# Altium PCB mantarray_beta2_sensor_arrayed.PcbDoc (part 1 of 14) (continued)
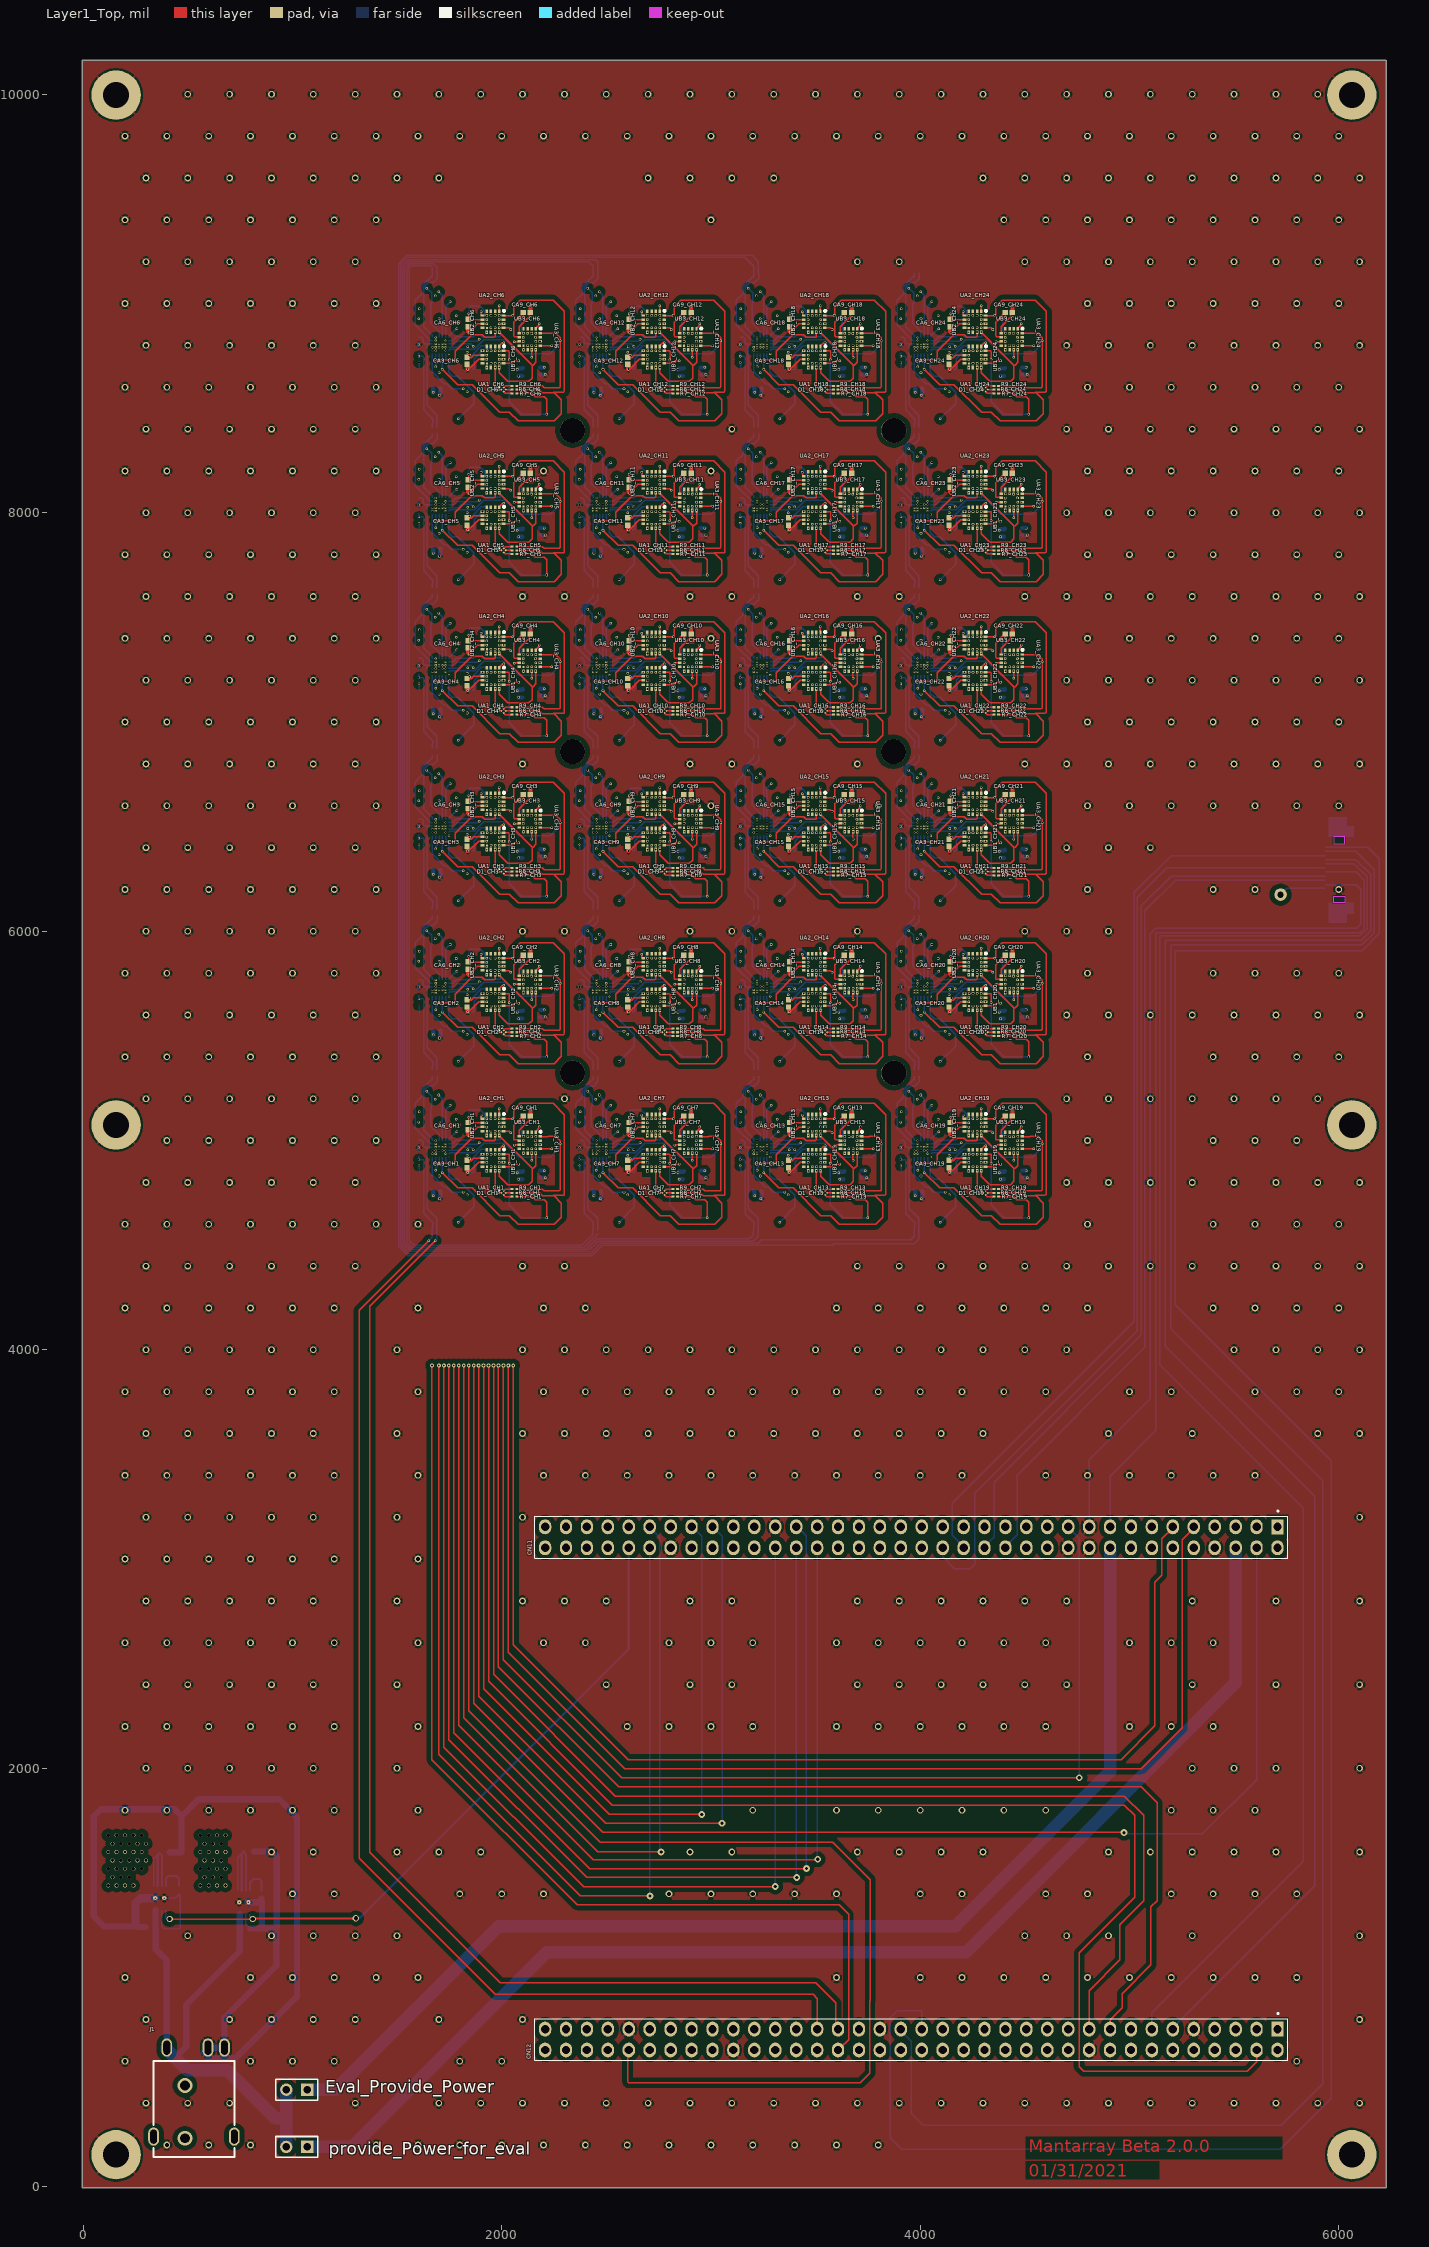
[diagram p0: Layer1_Top view]
## Components (designator, comment, footprint, x,y, rotation, side; value= is the part's Value field where it differs from the comment) (continued)
CA9_CH18 "GRM155R71C104KA88D" CAPC1005X55X25NL05T10 3655.51,8956.69 r180 top (schematic designator CA9)
CA9_CH19 "GRM155R71C104KA88D" CAPC1005X55X25NL05T10 4423.23,5118.11 r180 top (schematic designator CA9)
CA9_CH20 "GRM155R71C104KA88D" CAPC1005X55X25NL05T10 4423.23,5885.83 r180 top (schematic designator CA9)
CA9_CH21 "GRM155R71C104KA88D" CAPC1005X55X25NL05T10 4423.23,6653.54 r180 top (schematic designator CA9)
CA9_CH22 "GRM155R71C104KA88D" CAPC1005X55X25NL05T10 4423.23,7421.26 r180 top (schematic designator CA9)
CA9_CH23 "GRM155R71C104KA88D" CAPC1005X55X25NL05T10 4423.23,8188.98 r180 top (schematic designator CA9)
CA9_CH24 "GRM155R71C104KA88D" CAPC1005X55X25NL05T10 4423.23,8956.69 r180 top (schematic designator CA9)
CN11 "Header 35x2" HDR_2x36_2R54_V_M 5707.48,3153.94 r180 top
CN12 "Header 35x2" HDR_2x36_2R54_V_M 5707.48,753.94 r180 top
D1_CH1 "XZBGRBBRMER158W" 4-SMD 2009.84,4750 r315 top (schematic designator D1)
D1_CH2 "XZBGRBBRMER158W" 4-SMD 2009.84,5517.72 r315 top (schematic designator D1)
D1_CH3 "XZBGRBBRMER158W" 4-SMD 2009.84,6285.43 r315 top (schematic designator D1)
D1_CH4 "XZBGRBBRMER158W" 4-SMD 2009.84,7053.15 r315 top (schematic designator D1)
D1_CH5 "XZBGRBBRMER158W" 4-SMD 2009.84,7820.86 r315 top (schematic designator D1)
D1_CH6 "XZBGRBBRMER158W" 4-SMD 2009.84,8588.58 r315 top (schematic designator D1)
D1_CH7 "XZBGRBBRMER158W" 4-SMD 2777.56,4750 r315 top (schematic designator D1)
D1_CH8 "XZBGRBBRMER158W" 4-SMD 2777.56,5517.72 r315 top (schematic designator D1)
D1_CH9 "XZBGRBBRMER158W" 4-SMD 2777.56,6285.43 r315 top (schematic designator D1)
D1_CH10 "XZBGRBBRMER158W" 4-SMD 2777.56,7053.15 r315 top (schematic designator D1)
D1_CH11 "XZBGRBBRMER158W" 4-SMD 2777.56,7820.86 r315 top (schematic designator D1)
D1_CH12 "XZBGRBBRMER158W" 4-SMD 2777.56,8588.58 r315 top (schematic designator D1)
D1_CH13 "XZBGRBBRMER158W" 4-SMD 3545.28,4750 r315 top (schematic designator D1)
D1_CH14 "XZBGRBBRMER158W" 4-SMD 3545.28,5517.72 r315 top (schematic designator D1)
D1_CH15 "XZBGRBBRMER158W" 4-SMD 3545.28,6285.43 r315 top (schematic designator D1)
D1_CH16 "XZBGRBBRMER158W" 4-SMD 3545.28,7053.15 r315 top (schematic designator D1)
D1_CH17 "XZBGRBBRMER158W" 4-SMD 3545.28,7820.86 r315 top (schematic designator D1)
D1_CH18 "XZBGRBBRMER158W" 4-SMD 3545.28,8588.58 r315 top (schematic designator D1)
D1_CH19 "XZBGRBBRMER158W" 4-SMD 4312.99,4750 r315 top (schematic designator D1)
D1_CH20 "XZBGRBBRMER158W" 4-SMD 4312.99,5517.72 r315 top (schematic designator D1)
D1_CH21 "XZBGRBBRMER158W" 4-SMD 4312.99,6285.43 r315 top (schematic designator D1)
D1_CH22 "XZBGRBBRMER158W" 4-SMD 4312.99,7053.15 r315 top (schematic designator D1)
D1_CH23 "XZBGRBBRMER158W" 4-SMD 4312.99,7820.86 r315 top (schematic designator D1)
D1_CH24 "XZBGRBBRMER158W" 4-SMD 4312.99,8588.58 r315 top (schematic designator D1)
Eval_Provide_Power "Header 2" HDR1X2 1070.87,464.57 r180 top
J1 "PJ-001AH-67" PJ-001AH-67 399.61,665.35 r90 top
provide_Power_for_eval "Header 2" HDR1X2 1070.47,190.94 r180 top
R7_CH1 "CRCW0201220RFNED" RESC0603X28X15LL05T05 2061.02,4732.28 r0 top (schematic designator R7)
R7_CH2 "CRCW0201220RFNED" RESC0603X28X15LL05T05 2061.02,5500 r0 top (schematic designator R7)
R7_CH3 "CRCW0201220RFNED" RESC0603X28X15LL05T05 2061.02,6267.72 r0 top (schematic designator R7)
R7_CH4 "CRCW0201220RFNED" RESC0603X28X15LL05T05 2061.02,7035.43 r0 top (schematic designator R7)
R7_CH5 "CRCW0201220RFNED" RESC0603X28X15LL05T05 2061.02,7803.15 r0 top (schematic designator R7)
R7_CH6 "CRCW0201220RFNED" RESC0603X28X15LL05T05 2061.02,8570.87 r0 top (schematic designator R7)
R7_CH7 "CRCW0201220RFNED" RESC0603X28X15LL05T05 2828.74,4732.28 r0 top (schematic designator R7)
R7_CH8 "CRCW0201220RFNED" RESC0603X28X15LL05T05 2828.74,5500 r0 top (schematic designator R7)
R7_CH9 "CRCW0201220RFNED" RESC0603X28X15LL05T05 2828.74,6267.72 r0 top (schematic designator R7)
R7_CH10 "CRCW0201220RFNED" RESC0603X28X15LL05T05 2828.74,7035.43 r0 top (schematic designator R7)
R7_CH11 "CRCW0201220RFNED" RESC0603X28X15LL05T05 2828.74,7803.15 r0 top (schematic designator R7)
R7_CH12 "CRCW0201220RFNED" RESC0603X28X15LL05T05 2828.74,8570.87 r0 top (schematic designator R7)
R7_CH13 "CRCW0201220RFNED" RESC0603X28X15LL05T05 3596.46,4732.28 r0 top (schematic designator R7)
R7_CH14 "CRCW0201220RFNED" RESC0603X28X15LL05T05 3596.46,5500 r0 top (schematic designator R7)
R7_CH15 "CRCW0201220RFNED" RESC0603X28X15LL05T05 3596.46,6267.72 r0 top (schematic designator R7)
R7_CH16 "CRCW0201220RFNED" RESC0603X28X15LL05T05 3596.46,7035.43 r0 top (schematic designator R7)
R7_CH17 "CRCW0201220RFNED" RESC0603X28X15LL05T05 3596.46,7803.15 r0 top (schematic designator R7)
R7_CH18 "CRCW0201220RFNED" RESC0603X28X15LL05T05 3596.46,8570.87 r0 top (schematic designator R7)
R7_CH19 "CRCW0201220RFNED" RESC0603X28X15LL05T05 4364.17,4732.28 r0 top (schematic designator R7)
R7_CH20 "CRCW0201220RFNED" RESC0603X28X15LL05T05 4364.17,5500 r0 top (schematic designator R7)
R7_CH21 "CRCW0201220RFNED" RESC0603X28X15LL05T05 4364.17,6267.72 r0 top (schematic designator R7)
R7_CH22 "CRCW0201220RFNED" RESC0603X28X15LL05T05 4364.17,7035.43 r0 top (schematic designator R7)
R7_CH23 "CRCW0201220RFNED" RESC0603X28X15LL05T05 4364.17,7803.15 r0 top (schematic designator R7)
R7_CH24 "CRCW0201220RFNED" RESC0603X28X15LL05T05 4364.17,8570.87 r0 top (schematic designator R7)
R8_CH1 "CRCW0201100RFKED" RESC0603X28X15LL05T05 2061.02,4750 r0 top (schematic designator R8)
R8_CH2 "CRCW0201100RFKED" RESC0603X28X15LL05T05 2061.02,5517.72 r0 top (schematic designator R8)
R8_CH3 "CRCW0201100RFKED" RESC0603X28X15LL05T05 2061.02,6285.43 r0 top (schematic designator R8)
R8_CH4 "CRCW0201100RFKED" RESC0603X28X15LL05T05 2061.02,7053.15 r0 top (schematic designator R8)
R8_CH5 "CRCW0201100RFKED" RESC0603X28X15LL05T05 2061.02,7820.87 r0 top (schematic designator R8)
R8_CH6 "CRCW0201100RFKED" RESC0603X28X15LL05T05 2061.02,8588.58 r0 top (schematic designator R8)
R8_CH7 "CRCW0201100RFKED" RESC0603X28X15LL05T05 2828.74,4750 r0 top (schematic designator R8)
R8_CH8 "CRCW0201100RFKED" RESC0603X28X15LL05T05 2828.74,5517.72 r0 top (schematic designator R8)
R8_CH9 "CRCW0201100RFKED" RESC0603X28X15LL05T05 2828.74,6285.43 r0 top (schematic designator R8)
R8_CH10 "CRCW0201100RFKED" RESC0603X28X15LL05T05 2828.74,7053.15 r0 top (schematic designator R8)
R8_CH11 "CRCW0201100RFKED" RESC0603X28X15LL05T05 2828.74,7820.87 r0 top (schematic designator R8)
R8_CH12 "CRCW0201100RFKED" RESC0603X28X15LL05T05 2828.74,8588.58 r0 top (schematic designator R8)
R8_CH13 "CRCW0201100RFKED" RESC0603X28X15LL05T05 3596.46,4750 r0 top (schematic designator R8)
R8_CH14 "CRCW0201100RFKED" RESC0603X28X15LL05T05 3596.46,5517.72 r0 top (schematic designator R8)
R8_CH15 "CRCW0201100RFKED" RESC0603X28X15LL05T05 3596.46,6285.43 r0 top (schematic designator R8)
R8_CH16 "CRCW0201100RFKED" RESC0603X28X15LL05T05 3596.46,7053.15 r0 top (schematic designator R8)
R8_CH17 "CRCW0201100RFKED" RESC0603X28X15LL05T05 3596.46,7820.87 r0 top (schematic designator R8)
R8_CH18 "CRCW0201100RFKED" RESC0603X28X15LL05T05 3596.46,8588.58 r0 top (schematic designator R8)
R8_CH19 "CRCW0201100RFKED" RESC0603X28X15LL05T05 4364.17,4750 r0 top (schematic designator R8)
R8_CH20 "CRCW0201100RFKED" RESC0603X28X15LL05T05 4364.17,5517.72 r0 top (schematic designator R8)
R8_CH21 "CRCW0201100RFKED" RESC0603X28X15LL05T05 4364.17,6285.43 r0 top (schematic designator R8)
R8_CH22 "CRCW0201100RFKED" RESC0603X28X15LL05T05 4364.17,7053.15 r0 top (schematic designator R8)
R8_CH23 "CRCW0201100RFKED" RESC0603X28X15LL05T05 4364.17,7820.87 r0 top (schematic designator R8)
R8_CH24 "CRCW0201100RFKED" RESC0603X28X15LL05T05 4364.17,8588.58 r0 top (schematic designator R8)
R9_CH1 "CRCW0201100RFKED" RESC0603X28X15LL05T05 2061.02,4767.72 r0 top (schematic designator R9)
R9_CH2 "CRCW0201100RFKED" RESC0603X28X15LL05T05 2061.02,5535.43 r0 top (schematic designator R9)
R9_CH3 "CRCW0201100RFKED" RESC0603X28X15LL05T05 2061.02,6303.15 r0 top (schematic designator R9)
R9_CH4 "CRCW0201100RFKED" RESC0603X28X15LL05T05 2061.02,7070.87 r0 top (schematic designator R9)
R9_CH5 "CRCW0201100RFKED" RESC0603X28X15LL05T05 2061.02,7838.58 r0 top (schematic designator R9)
R9_CH6 "CRCW0201100RFKED" RESC0603X28X15LL05T05 2061.02,8606.3 r0 top (schematic designator R9)
R9_CH7 "CRCW0201100RFKED" RESC0603X28X15LL05T05 2828.74,4767.72 r0 top (schematic designator R9)
R9_CH8 "CRCW0201100RFKED" RESC0603X28X15LL05T05 2828.74,5535.43 r0 top (schematic designator R9)
R9_CH9 "CRCW0201100RFKED" RESC0603X28X15LL05T05 2828.74,6303.15 r0 top (schematic designator R9)
R9_CH10 "CRCW0201100RFKED" RESC0603X28X15LL05T05 2828.74,7070.87 r0 top (schematic designator R9)
R9_CH11 "CRCW0201100RFKED" RESC0603X28X15LL05T05 2828.74,7838.58 r0 top (schematic designator R9)
R9_CH12 "CRCW0201100RFKED" RESC0603X28X15LL05T05 2828.74,8606.3 r0 top (schematic designator R9)
R9_CH13 "CRCW0201100RFKED" RESC0603X28X15LL05T05 3596.46,4767.72 r0 top (schematic designator R9)
R9_CH14 "CRCW0201100RFKED" RESC0603X28X15LL05T05 3596.46,5535.43 r0 top (schematic designator R9)
R9_CH15 "CRCW0201100RFKED" RESC0603X28X15LL05T05 3596.46,6303.15 r0 top (schematic designator R9)
R9_CH16 "CRCW0201100RFKED" RESC0603X28X15LL05T05 3596.46,7070.87 r0 top (schematic designator R9)
R9_CH17 "CRCW0201100RFKED" RESC0603X28X15LL05T05 3596.46,7838.58 r0 top (schematic designator R9)
R9_CH18 "CRCW0201100RFKED" RESC0603X28X15LL05T05 3596.46,8606.3 r0 top (schematic designator R9)
R9_CH19 "CRCW0201100RFKED" RESC0603X28X15LL05T05 4364.17,4767.72 r0 top (schematic designator R9)
R9_CH20 "CRCW0201100RFKED" RESC0603X28X15LL05T05 4364.17,5535.43 r0 top (schematic designator R9)
R9_CH21 "CRCW0201100RFKED" RESC0603X28X15LL05T05 4364.17,6303.15 r0 top (schematic designator R9)
R9_CH22 "CRCW0201100RFKED" RESC0603X28X15LL05T05 4364.17,7070.87 r0 top (schematic designator R9)
R9_CH23 "CRCW0201100RFKED" RESC0603X28X15LL05T05 4364.17,7838.58 r0 top (schematic designator R9)
R9_CH24 "CRCW0201100RFKED" RESC0603X28X15LL05T05 4364.17,8606.3 r0 top (schematic designator R9)
R_bt0_CH1 "10k" RESC0603X28X15LL05T05 1604.33,4995.08 r90 bottom (schematic designator R_bt0)
R_bt0_CH2 "10k" RESC0603X28X15LL05T05 1604.33,5762.8 r90 bottom (schematic designator R_bt0)
R_bt0_CH3 "10k" RESC0603X28X15LL05T05 1604.33,6530.51 r90 bottom (schematic designator R_bt0)
R_bt0_CH4 "10k" RESC0603X28X15LL05T05 1604.33,7298.23 r90 bottom (schematic designator R_bt0)
R_bt0_CH5 "10k" RESC0603X28X15LL05T05 1604.33,8065.94 r90 bottom (schematic designator R_bt0)
R_bt0_CH6 "10k" RESC0603X28X15LL05T05 1604.33,8833.66 r90 bottom (schematic designator R_bt0)
R_bt0_CH7 "10k" RESC0603X28X15LL05T05 2372.05,4995.08 r90 bottom (schematic designator R_bt0)
R_bt0_CH8 "10k" RESC0603X28X15LL05T05 2372.05,5762.8 r90 bottom (schematic designator R_bt0)
R_bt0_CH9 "10k" RESC0603X28X15LL05T05 2372.05,6530.51 r90 bottom (schematic designator R_bt0)
R_bt0_CH10 "10k" RESC0603X28X15LL05T05 2372.05,7298.23 r90 bottom (schematic designator R_bt0)
R_bt0_CH11 "10k" RESC0603X28X15LL05T05 2372.05,8065.94 r90 bottom (schematic designator R_bt0)
R_bt0_CH12 "10k" RESC0603X28X15LL05T05 2372.05,8833.66 r90 bottom (schematic designator R_bt0)
R_bt0_CH13 "10k" RESC0603X28X15LL05T05 3139.76,4995.08 r90 bottom (schematic designator R_bt0)
R_bt0_CH14 "10k" RESC0603X28X15LL05T05 3139.76,5762.8 r90 bottom (schematic designator R_bt0)
R_bt0_CH15 "10k" RESC0603X28X15LL05T05 3139.76,6530.51 r90 bottom (schematic designator R_bt0)
R_bt0_CH16 "10k" RESC0603X28X15LL05T05 3139.76,7298.23 r90 bottom (schematic designator R_bt0)
R_bt0_CH17 "10k" RESC0603X28X15LL05T05 3139.76,8065.94 r90 bottom (schematic designator R_bt0)
R_bt0_CH18 "10k" RESC0603X28X15LL05T05 3139.76,8833.66 r90 bottom (schematic designator R_bt0)
R_bt0_CH19 "10k" RESC0603X28X15LL05T05 3907.48,4995.08 r90 bottom (schematic designator R_bt0)
R_bt0_CH20 "10k" RESC0603X28X15LL05T05 3907.48,5762.8 r90 bottom (schematic designator R_bt0)
R_bt0_CH21 "10k" RESC0603X28X15LL05T05 3907.48,6530.51 r90 bottom (schematic designator R_bt0)
R_bt0_CH22 "10k" RESC0603X28X15LL05T05 3907.48,7298.23 r90 bottom (schematic designator R_bt0)
R_bt0_CH23 "10k" RESC0603X28X15LL05T05 3907.48,8065.94 r90 bottom (schematic designator R_bt0)
R_bt0_CH24 "10k" RESC0603X28X15LL05T05 3907.48,8833.66 r90 bottom (schematic designator R_bt0)
R_rst_CH1 "10k" RESC0603X28X15LL05T05 1604.33,4937.01 r270 bottom (schematic designator R_rst)
R_rst_CH2 "10k" RESC0603X28X15LL05T05 1604.33,5704.72 r270 bottom (schematic designator R_rst)
R_rst_CH3 "10k" RESC0603X28X15LL05T05 1604.33,6472.44 r270 bottom (schematic designator R_rst)
R_rst_CH4 "10k" RESC0603X28X15LL05T05 1604.33,7240.16 r270 bottom (schematic designator R_rst)
R_rst_CH5 "10k" RESC0603X28X15LL05T05 1604.33,8007.87 r270 bottom (schematic designator R_rst)
R_rst_CH6 "10k" RESC0603X28X15LL05T05 1604.33,8775.59 r270 bottom (schematic designator R_rst)
R_rst_CH7 "10k" RESC0603X28X15LL05T05 2372.05,4937.01 r270 bottom (schematic designator R_rst)
R_rst_CH8 "10k" RESC0603X28X15LL05T05 2372.05,5704.72 r270 bottom (schematic designator R_rst)
R_rst_CH9 "10k" RESC0603X28X15LL05T05 2372.05,6472.44 r270 bottom (schematic designator R_rst)
R_rst_CH10 "10k" RESC0603X28X15LL05T05 2372.05,7240.16 r270 bottom (schematic designator R_rst)
R_rst_CH11 "10k" RESC0603X28X15LL05T05 2372.05,8007.87 r270 bottom (schematic designator R_rst)
R_rst_CH12 "10k" RESC0603X28X15LL05T05 2372.05,8775.59 r270 bottom (schematic designator R_rst)
R_rst_CH13 "10k" RESC0603X28X15LL05T05 3139.76,4937.01 r270 bottom (schematic designator R_rst)
R_rst_CH14 "10k" RESC0603X28X15LL05T05 3139.76,5704.72 r270 bottom (schematic designator R_rst)
R_rst_CH15 "10k" RESC0603X28X15LL05T05 3139.76,6472.44 r270 bottom (schematic designator R_rst)
R_rst_CH16 "10k" RESC0603X28X15LL05T05 3139.76,7240.16 r270 bottom (schematic designator R_rst)
R_rst_CH17 "10k" RESC0603X28X15LL05T05 3139.76,8007.87 r270 bottom (schematic designator R_rst)
R_rst_CH18 "10k" RESC0603X28X15LL05T05 3139.76,8775.59 r270 bottom (schematic designator R_rst)
R_rst_CH19 "10k" RESC0603X28X15LL05T05 3907.48,4937.01 r270 bottom (schematic designator R_rst)
R_rst_CH20 "10k" RESC0603X28X15LL05T05 3907.48,5704.72 r270 bottom (schematic designator R_rst)
R_rst_CH21 "10k" RESC0603X28X15LL05T05 3907.48,6472.44 r270 bottom (schematic designator R_rst)
R_rst_CH22 "10k" RESC0603X28X15LL05T05 3907.48,7240.16 r270 bottom (schematic designator R_rst)
R_rst_CH23 "10k" RESC0603X28X15LL05T05 3907.48,8007.87 r270 bottom (schematic designator R_rst)
R_rst_CH24 "10k" RESC0603X28X15LL05T05 3907.48,8775.59 r270 bottom (schematic designator R_rst)
U1_CH1 "STM32L052T8Y7TR" WLCSP36L_DIE417 1708.66,4960.63 r180 bottom locked (schematic designator U1)
U1_CH2 "STM32L052T8Y7TR" WLCSP36L_DIE417 1708.66,5728.35 r180 bottom locked (schematic designator U1)
U1_CH3 "STM32L052T8Y7TR" WLCSP36L_DIE417 1708.66,6496.06 r180 bottom locked (schematic designator U1)
U1_CH4 "STM32L052T8Y7TR" WLCSP36L_DIE417 1708.66,7263.78 r180 bottom locked (schematic designator U1)
U1_CH5 "STM32L052T8Y7TR" WLCSP36L_DIE417 1708.66,8031.5 r180 bottom locked (schematic designator U1)
U1_CH6 "STM32L052T8Y7TR" WLCSP36L_DIE417 1708.66,8799.21 r180 bottom locked (schematic designator U1)
U1_CH7 "STM32L052T8Y7TR" WLCSP36L_DIE417 2476.38,4960.63 r180 bottom locked (schematic designator U1)
U1_CH8 "STM32L052T8Y7TR" WLCSP36L_DIE417 2476.38,5728.35 r180 bottom locked (schematic designator U1)
U1_CH9 "STM32L052T8Y7TR" WLCSP36L_DIE417 2476.38,6496.06 r180 bottom locked (schematic designator U1)
U1_CH10 "STM32L052T8Y7TR" WLCSP36L_DIE417 2476.38,7263.78 r180 bottom locked (schematic designator U1)
U1_CH11 "STM32L052T8Y7TR" WLCSP36L_DIE417 2476.38,8031.5 r180 bottom locked (schematic designator U1)
U1_CH12 "STM32L052T8Y7TR" WLCSP36L_DIE417 2476.38,8799.21 r180 bottom locked (schematic designator U1)
U1_CH13 "STM32L052T8Y7TR" WLCSP36L_DIE417 3244.09,4960.63 r180 bottom locked (schematic designator U1)
U1_CH14 "STM32L052T8Y7TR" WLCSP36L_DIE417 3244.09,5728.35 r180 bottom locked (schematic designator U1)
U1_CH15 "STM32L052T8Y7TR" WLCSP36L_DIE417 3244.09,6496.06 r180 bottom locked (schematic designator U1)
U1_CH16 "STM32L052T8Y7TR" WLCSP36L_DIE417 3244.09,7263.78 r180 bottom locked (schematic designator U1)
U1_CH17 "STM32L052T8Y7TR" WLCSP36L_DIE417 3244.09,8031.5 r180 bottom locked (schematic designator U1)
U1_CH18 "STM32L052T8Y7TR" WLCSP36L_DIE417 3244.09,8799.21 r180 bottom locked (schematic designator U1)
U1_CH19 "STM32L052T8Y7TR" WLCSP36L_DIE417 4011.81,4960.63 r180 bottom locked (schematic designator U1)
U1_CH20 "STM32L052T8Y7TR" WLCSP36L_DIE417 4011.81,5728.35 r180 bottom locked (schematic designator U1)
U1_CH21 "STM32L052T8Y7TR" WLCSP36L_DIE417 4011.81,6496.06 r180 bottom locked (schematic designator U1)
U1_CH22 "STM32L052T8Y7TR" WLCSP36L_DIE417 4011.81,7263.78 r180 bottom locked (schematic designator U1)
U1_CH23 "STM32L052T8Y7TR" WLCSP36L_DIE417 4011.81,8031.5 r180 bottom locked (schematic designator U1)
U1_CH24 "STM32L052T8Y7TR" WLCSP36L_DIE417 4011.81,8799.21 r180 bottom locked (schematic designator U1)
U14_AVDD "ADP1706ACPZ-3.3-R7" ADI-CP-8-2_L 767.72,1360.24 r90 bottom locked (schematic designator U14)
U14_DVDD "ADP1706ACPZ-3.3-R7" ADI-CP-8-2_L 366.14,1379.92 r90 bottom locked (schematic designator U14)
UA1_CH1 "LIS3MDLTR" STM-LGA-12#1 1959.15,4905.23 r270 top locked (schematic designator UA1)
UA1_CH2 "LIS3MDLTR" STM-LGA-12#2 1959.07,5672.86 r270 top locked (schematic designator UA1)
UA1_CH3 "LIS3MDLTR" STM-LGA-12#2 1959.07,6440.57 r270 top locked (schematic designator UA1)
UA1_CH4 "LIS3MDLTR" STM-LGA-12#2 1959.07,7208.29 r270 top locked (schematic designator UA1)
UA1_CH5 "LIS3MDLTR" STM-LGA-12#2 1959.07,7976.01 r270 top locked (schematic designator UA1)
UA1_CH6 "LIS3MDLTR" STM-LGA-12#2 1959.07,8743.72 r270 top locked (schematic designator UA1)
UA1_CH7 "LIS3MDLTR" STM-LGA-12#2 2726.78,4905.14 r270 top locked (schematic designator UA1)
UA1_CH8 "LIS3MDLTR" STM-LGA-12#2 2726.78,5672.86 r270 top locked (schematic designator UA1)
UA1_CH9 "LIS3MDLTR" STM-LGA-12#2 2726.78,6440.57 r270 top locked (schematic designator UA1)
UA1_CH10 "LIS3MDLTR" STM-LGA-12#2 2726.78,7208.29 r270 top locked (schematic designator UA1)
UA1_CH11 "LIS3MDLTR" STM-LGA-12#2 2726.78,7976.01 r270 top locked (schematic designator UA1)
UA1_CH12 "LIS3MDLTR" STM-LGA-12#2 2726.78,8743.72 r270 top locked (schematic designator UA1)
UA1_CH13 "LIS3MDLTR" STM-LGA-12#2 3494.5,4905.14 r270 top locked (schematic designator UA1)
UA1_CH14 "LIS3MDLTR" STM-LGA-12#2 3494.5,5672.86 r270 top locked (schematic designator UA1)
UA1_CH15 "LIS3MDLTR" STM-LGA-12#2 3494.5,6440.57 r270 top locked (schematic designator UA1)
UA1_CH16 "LIS3MDLTR" STM-LGA-12#2 3494.5,7208.29 r270 top locked (schematic designator UA1)
UA1_CH17 "LIS3MDLTR" STM-LGA-12#2 3494.5,7976.01 r270 top locked (schematic designator UA1)
UA1_CH18 "LIS3MDLTR" STM-LGA-12#2 3494.5,8743.72 r270 top locked (schematic designator UA1)
UA1_CH19 "LIS3MDLTR" STM-LGA-12#2 4262.22,4905.14 r270 top locked (schematic designator UA1)
UA1_CH20 "LIS3MDLTR" STM-LGA-12#2 4262.22,5672.86 r270 top locked (schematic designator UA1)
UA1_CH21 "LIS3MDLTR" STM-LGA-12#2 4262.22,6440.57 r270 top locked (schematic designator UA1)
UA1_CH22 "LIS3MDLTR" STM-LGA-12#2 4262.22,7208.29 r270 top locked (schematic designator UA1)
UA1_CH23 "LIS3MDLTR" STM-LGA-12#2 4262.22,7976.01 r270 top locked (schematic designator UA1)
UA1_CH24 "LIS3MDLTR" STM-LGA-12#2 4262.22,8743.72 r270 top locked (schematic designator UA1)
UA2_CH1 "LIS3MDLTR" STM-LGA-12#1 1958.66,5074.52 r270 top locked (schematic designator UA2)
UA2_CH2 "LIS3MDLTR" STM-LGA-12#2 1958.58,5842.15 r270 top locked (schematic designator UA2)
UA2_CH3 "LIS3MDLTR" STM-LGA-12#2 1958.58,6609.86 r270 top locked (schematic designator UA2)
UA2_CH4 "LIS3MDLTR" STM-LGA-12#2 1958.58,7377.58 r270 top locked (schematic designator UA2)
UA2_CH5 "LIS3MDLTR" STM-LGA-12#2 1958.58,8145.3 r270 top locked (schematic designator UA2)